# KiCad board Inkplate 6 SS_panel.kicad_pcb (continued)
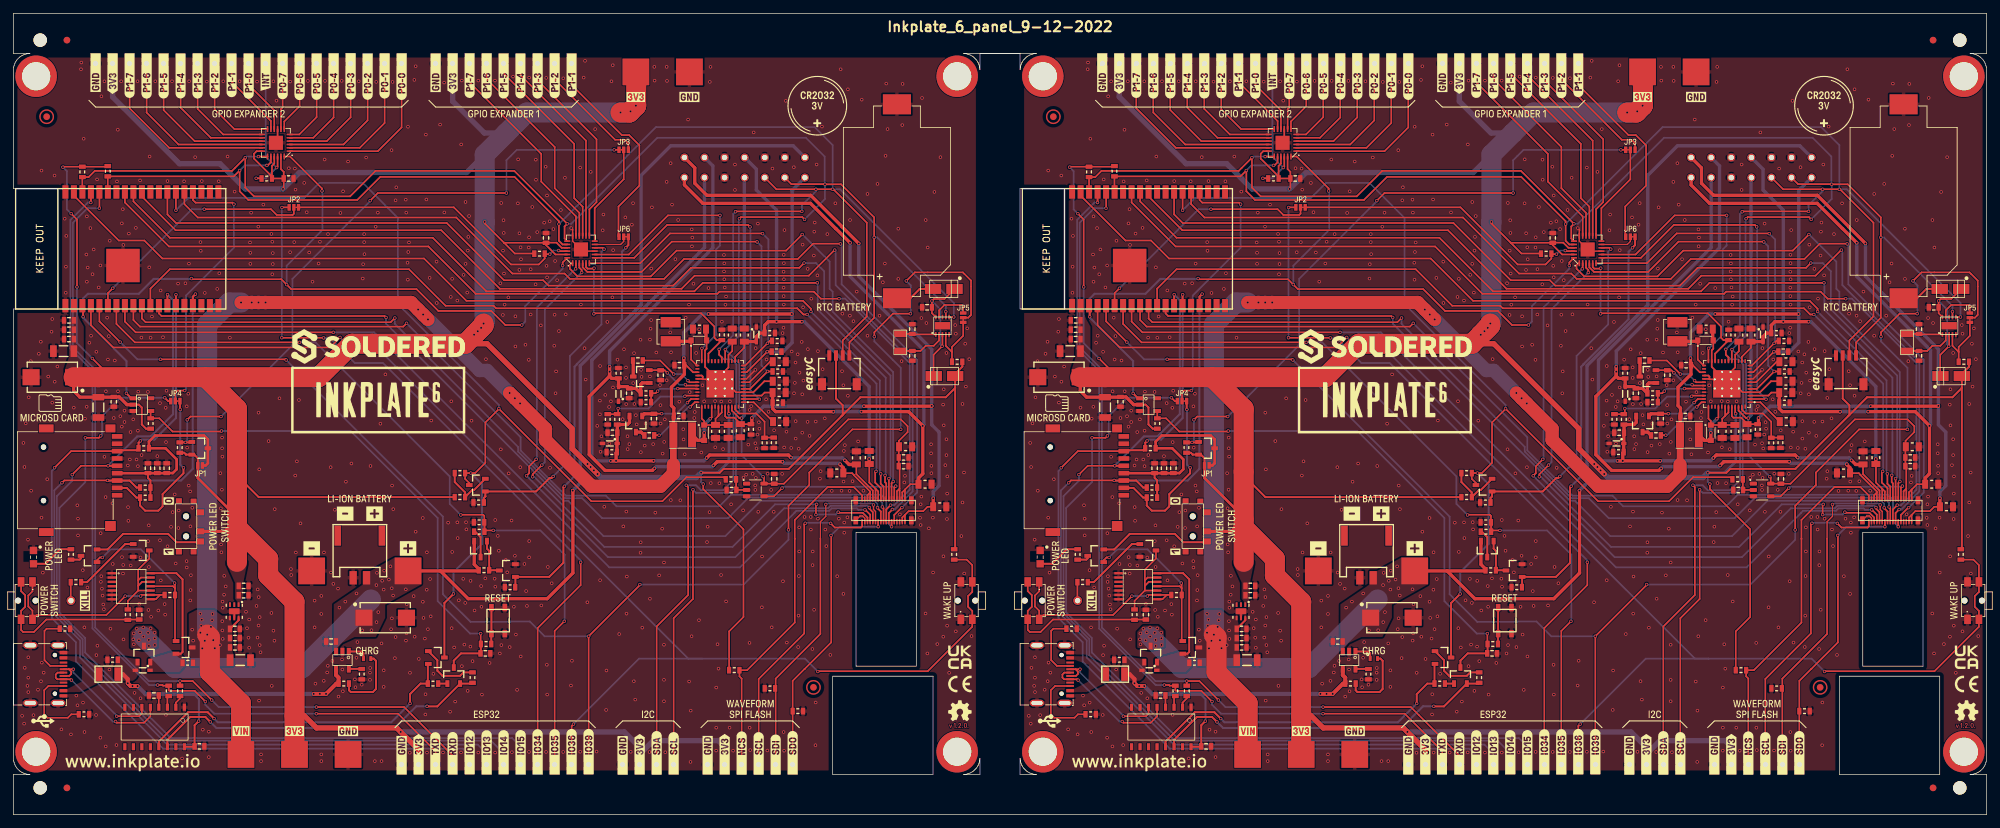
[diagram p0: board, top side]
## Routing (per net, layer and track width the routed paths; a pad name or vN(x,y) marks a point on that pad's centre or on a via; arc(x,y) is an arc through that point) (continued)
Board_1-TXD: length 129.7
  Top w0.254: v1(179.08,16.91) 177.48,18.51 173.71,18.51 173.59,18.63 173.6,18.64 R23.2 172.77,19.28 172.67,19.38 v1(171.95,19.38) ; v1(195.66,15.09) 207.87,15.09 213.48,9.48 K20.1
  Top w0.3: U12.35 161.98,91.53 v1(161.97,91.52)
  Bottom w0.254: v1(195.66,15.09) 180.42,15.09 179.08,16.43 v1(179.08,16.91) ; v1(171.95,19.38) 170.67,19.38 162.21,27.83 162.21,66.38 158.92,69.67 158.92,88.92 161.52,91.52 v1(161.97,91.52)
Board_1-V_BAT: length 119.9
  Top w0.254: K18.1 231.26,27.46 v1(232.7,28.9) ; U12.7 165.79,73.37 168.55,70.61 v1(193.15,70.61) ; v1(217.25,44.8) 217.29,44.84 220.58,44.84 220.75,44.67 R17.2 ; R16.1 220.97,42.49 v1(222.1,42.49)
  Top w0.3: R16.1 220.78,43.68 R17.2
  Bottom w0.254: v1(217.25,44.8) 215.59,46.46 215.59,50.56 195.54,70.61 v1(193.15,70.61) ; v1(222.1,42.49) 229.13,42.49 232.76,38.86 232.76,28.96 v1(232.7,28.9)
Board_1-V_BAT_MOS: length 62.4
  Top w0.3: JP6#2.1 242.28,85.16 241.9,84.78 v1(241.9,84.75) ; R15.2 225.4,34.03 Q3#2.1 230.46,35.55 232.57,37.66 232.57,48.94 v1(232.73,49.1)
  Bottom w0.3: v1(232.73,49.1) 234.23,50.6 234.23,66.97 234.57,67.31 234.57,67.34 241.31,74.08 241.31,84.16 v1(241.9,84.75)
Board_1-VBAT: length 169.3
  Top w0.5: Q1.2 219.25,37.41 219.94,36.73 R11#2.2 219.84,36.44 214.19,36.44 ; v1(233.96,48.45) 233.99,48.42 233.99,36.13 230.14,32.28 218.35,32.28 214.19,36.44 ; 214.19,36.44 PAD1#2.1
  Bottom w0.5: v1(233.96,48.45) 235.1,49.59 235.1,67.13 244.18,76.21 244.18,95.58 248.6,100 266.9,100 K1.8
  Bottom w3: v1(169.83,26.63) 174.52,21.93 193.58,21.93 203.81,32.16
  vias: v1(168.31,26.21) v1(168.37,27.09) v1(168.39,25.46) v1(168.82,27.81) v1(169.15,26.07) v1(169.32,27.25) v1(169.81,27.99) v1(170.52,27.18) v1(170.64,26.12) v1(170.65,25.22) v1(170.9,27.85) v1(171.5,27.21) v1(171.52,26.36) v1(171.54,25.37) v1(199.11,30.95) v1(199.98,31.85) v1(201.66,33.07) v1(202.53,27.55) v1(203.9,27.58) v1(204.63,34.32) v1(204.72,36.15) v1(204.65,28.78) v1(204.91,30.28) v1(205.49,34.96) v1(205.73,33.65) v1(205.79,36.48) v1(206.5,35.15) v1(206.73,37.12) v1(206.93,33.85) v1(207.13,32.76) v1(209.03,33.69)
Board_1-VCOM: length 74
  Top w0.254: 278.27,52.41 278.27,49.66 279.2,48.73 ; U1#2.14 258.24,68.46 259.6,69.82 C6#2.2 ; 279.2,48.73 279.6,48.33 K15#2.21 ; 279.2,48.73 K15#2.23 ; 261.38,70.73 D4.1
  Top w0.5: D4.1 261.4,71.48 261.92,72 R37.2 262.63,73.17 263.16,73.7 v1(264.42,73.7) v1(268.2,73.7) ; C6#2.2 261.38,70.73 ; C54.2 278.25,52.43 v1(278.25,53.17)
  Bottom w0.5: v1(268.2,73.7) 268.56,73.7 278.25,64.01 v1(278.25,53.17) ; K1.11 261.4,96.5 261.4,93.4 264.42,90.38 v1(264.42,73.7)
Board_1-VCOM_CTRL: length 50.4
  Top w0.254: U8.6 244.05,82.45 248.5,86.9 262.3,86.9 v1(262.33,86.87) ; U1#2.12 259.73,67.15 v1(263.05,70.47) 263.4,70.82 R6.1
  Bottom w0.254: v1(263.05,70.47) 263.2,70.62 263.2,86 v1(262.33,86.87)
Board_1-VDDH: length 104.9
  Top w0.254: C45#2.2 276.34,50.91 278.8,48.45 K15#2.25
  Top w0.5: D9#2.2 242.45,58.65 242.13,58.33 R39#2.2 240.63,58.3 C14#2.2 240.6,57.07 D2.2 240.58,55.48 R32#2.2 240.44,54.07 v1(240.44,52.89) ; v1(253.97,53.32) 254.42,53.77 266.19,53.77 v1(266.57,53.39) ; v1(274.62,52.98) 275.24,52.36 276.34,52.36 C45#2.2 ; v1(240.44,52.89) v1(239.65,52.89) ; v1(240.44,52.89) 246.03,52.89 v1(246.04,52.9)
  Bottom w0.5: K1.2 253.65,84.79 236.81,67.95 236.81,53.49 237.41,52.89 v1(239.65,52.89) v1(240.44,52.89) ; v1(246.04,52.9) 253.55,52.9 v1(253.97,53.32) ; v1(266.57,53.39) 266.62,53.34 274.26,53.34 v1(274.62,52.98)
Board_1-VEE: length 111.2
  Top w0.254: 274.4,51.05 275.7,51.05 275.96,50.79 275.96,50.75 278.4,48.31 278.4,48.18 ; K15#2.29 278,47.78 278.4,48.18 ; 278.4,48.18 K15#2.27
  Top w0.5: v1(254.98,52.21) 255.53,52.76 265.29,52.76 v1(265.3,52.77) ; C52#2.2 274.4,51.86 273.92,52.33 v1(273.92,52.4) ; v1(246.17,51.77) 245.86,51.46 238.79,51.46 236.43,53.83 236.43,62.53 239.47,65.57 v1(239.47,66.23) ; v1(239.47,66.23) 239.47,65.55 239.8,65.23 R38#2.2 240.8,64 D5#2.1 242.13,64 C15#2.2 243.4,63.73 R41#2.2 244.13,64.33 244.35,64.55 D6#2.1 ; v1(239.47,66.23) v1(239.47,66.98)
  Bottom w0.5: K1.13 254.9,97 254.9,84.74 239.47,69.31 v1(239.47,66.98) v1(239.47,66.23) ; v1(246.17,51.77) 246.43,52.03 254.8,52.03 v1(254.98,52.21) ; v1(265.3,52.77) 265.54,52.53 273.79,52.53 v1(273.92,52.4)
Board_1-VIN: length 237.8
  Top w0.254: C5#2.2 v1(263.02,69.22) 259.95,66.15 U1#2.10 ; C8.2 250.9,67.2 251.95,66.15 U1#2.27 ; 249,59.53 C10.2
  Top w0.3: U3.6 184.05,29.06 C36.2
  Top w0.5: v1(250.56,68.25) 250.56,67.27 C8.2 250.63,65.83 248.7,63.9 248.7,61.15 249.07,60.78 C10.2 ; v1(266.7,74.85) v1(254.25,74.85) ; L2.1 249,59.53
  Top w1: 249,52.32 L2.1
  Top w2: v1(184.41,76.57) v1(186.01,76.57) v1(187.02,76.57) v1(188.07,76.57) 209.81,76.57 v1(210.87,75.52) v1(211.61,74.77) v1(212.34,74.04) ; v1(224.54,63.04) v1(225.33,62.26) v1(226.1,61.48) 229.89,57.69 229.89,56.01 236.81,49.09 247.07,49.09 249,51.02 249,52.32
  Top w3: v1(179.36,26.91) 179.75,26.52 179.75,21.3 184.4,16.65 PAD4#2.1
  Bottom w0.5: K1.7 266.74,93.34 266.74,74.89 v1(266.7,74.85) 266.74,74.81 266.74,70.57 265.35,69.18 263.06,69.18 v1(263.02,69.22) ; v1(250.56,68.25) 250.56,72.09 253.32,74.85 v1(254.25,74.85)
  Bottom w2: v1(226.1,61.48) v1(225.33,62.26) v1(224.54,63.04) 221.17,66.41 220.05,66.41 212.42,74.04 v1(212.34,74.04) v1(211.61,74.77) v1(210.87,75.52) ; v1(184.41,76.57) v1(186.01,76.57) v1(187.02,76.57) v1(188.07,76.57)
  Bottom w3: v1(179.36,26.91) 179.35,26.92 179.35,73.26 182.66,76.57 v1(184.41,76.57)
  vias: v1(177.11,27.66) v1(177.25,26.01) v1(178.33,30.04) v1(178.33,27.2) v1(178.45,28.23) v1(178.55,29.14) v1(178.62,24.86) v1(178.99,25.99) v1(179.92,28.07) v1(180.08,29.07) v1(180.15,30) v1(180.26,26.09) v1(180.49,24.88) v1(181.27,25.35) v1(181.6,28.92) v1(181.62,27.54) v1(181.68,26.27)
Board_1-VNEG: length 106.3
  Top w0.254: C2.2 262.64,63.1 262.19,62.65 U1#2.3 ; 283.6,48.6 284.4,49.4 C39#2.2 ; 283.6,48.6 K15#2.1 ; 283.6,48.6 283.2,48.2 K15#2.3
  Top w0.5: C39#2.2 285.63,50.33 286.27,50.97 286.27,58.13 284.15,60.25 v1(277.1,60.25) ; v1(275.4,85.5) 273.27,87.63 273.25,87.63 269.48,91.4 253.4,91.4 250.65,94.15 K1.1 ; v1(272.9,60.24) 272.89,60.25 264.28,60.25 263.83,60.71 R8#2.1 C2.2
  Bottom w0.5: v1(275.4,85.5) 275.4,80.46 286.42,69.44 286.42,58.28 v1(286.26,58.12) ; v1(272.9,60.24) 272.91,60.25 v1(277.1,60.25)
Board_1-VPOS: length 118.8
  Top w0.254: C51#2.2 286.98,46.03 286.33,45.38 284.15,45.38 283.6,44.83 ; 283.6,44.83 283.2,44.43 K15#2.4 ; 283.6,44.83 K15#2.2 ; R20.1 C13#2.2 259,58.47 258.13,59.34 256.97,59.34 256.74,59.58 U1#2.44
  Top w0.5: v1(260.73,59.3) 260.73,58.5 R20.1 ; v1(287.6,61.11) 287.56,61.07 v1(277.48,61.07) ; K1.14 252.2,96.7 252.2,94.4 254,92.6 269.52,92.6 274.19,87.93 274.19,87.91 v1(276.7,85.4) ; v1(287.83,47.3) C51#2.2
  Bottom w0.5: v1(260.73,59.3) 262.5,61.07 v1(277.48,61.07) ; v1(276.7,85.4) 276.7,80.48 287.6,69.58 v1(287.6,61.11) 287.6,58.29 288.7,57.19 288.7,49.17 287.83,48.3 v1(287.83,47.3)
Board_1-VUSB: length 51
  Top w0.3: U5.16 177.42,10.15 C25.2 177.47,13.37 v1(178.08,13.98)
  Top w0.6: U2.4 198.61,20.86 198.99,20.49 R9#2.1 198.65,19.59 v1(197.11,18.05) v1(196.19,18.05) v1(195.27,18.05) ; v1(168.95,19.22) v1(168.2,19.22) 167.91,19.22 v1(167.49,19.64) 167.49,20.27 166.76,21 F1.1
  Bottom w0.3: v1(178.08,13.98) 178.11,14.01 178.11,17.27 177.33,18.05
  Bottom w0.6: v1(167.49,19.64) 167.91,19.22 v1(168.2,19.22) v1(168.95,19.22) 170.12,18.05 v1(195.27,18.05) v1(196.19,18.05) v1(197.11,18.05)
Board_1-WAKEUP: length 54.4
  Top w0.254: R5.1 v1(263.06,66.26) 260.45,63.65 U1#2.5 ; U8.4 235.45,81.83 236.15,81.14 244.24,81.14 248.77,85.67 261.47,85.67 v1(261.51,85.63)
  Bottom w0.254: v1(261.51,85.63) 262.16,84.98 262.16,67.16 v1(263.06,66.26)

## Copper pours and planes (outline as drawn; the poured copper is in the pictures)
Board_0-3V3 on Top: 9.49,75.1 9.89,74.07 10.52,72.95 10.51,68.25 10.27,66.62 10.27,64.2 7.72,64.2 7.72,66.6 8.3,68.43 8.3,73.9 8.59,75.1 8.59,77.1 9.49,77.1
Board_0-3V3 on Top: 34.73,38.01 34.9,37.85 34.9,37.41 34.35,34.7 34.35,32.3 33.8,31.75 33.8,31.04 33.5,31.04 33.5,31.75 33.1,32.29 33.1,34.7 31.9,37.4 31.9,37.86 32.05,38.02
Board_0-GND on Top, Bottom: 144.4,113.8 144.4,6 0,6 0,113.8
Board_0-Net-(F1-Pad2) on Top: 9.82,23.67 13.3,22 13.3,20 9.94,18.32 6.9,18.28 6.9,18.79 8.05,18.79 10.22,19.9 10.26,22.4 8.05,23.18 6.9,23.18 6.9,23.69 8.05,23.69
Board_0-SW_IN on Top: 24.8,24.35 25.6,23.2 25.6,22.2 24.77,21.32 20.02,21.33 20.02,21.83 20.15,22.3 20.15,23.3 23.8,24.35
Board_0-VBAT on Top, Bottom: 21.48,27.47 21.5,25.03 19.8,24.6 19.2,24.6 17.5,24.96 17.5,27.32 18.39,28.25 20.65,28.25
Board_0-VBAT on Top, Bottom: 60.96,34.44 55.55,31.41 55.55,29.44 54.14,26.55 51,26.55 49.09,25.66 48.51,24.94 48.51,23.84 47.91,23.84 47.91,24.94 47.86,25.39 47.86,26.39 47.85,28.45 47.86,31.45 52.21,34.41 52.21,36.42 53.31,36.42 56.96,38.44 60.96,38.44
Board_0-VIN on Top: 31.17,29.76 32.5,29.76 32.5,29.06 32.7,28.28 32.7,24.5 32.88,23.98 32.88,22.22 31.87,22.22 27.15,22.2 26.5,22.2 26.5,23.2 26.2,24.7 26.2,30.02 27.32,30.6 29.98,30.62
Board_0-VIN on Bottom: 31.17,29.76 32.5,29.76 32.5,29.06 32.7,28.28 32.71,25.73 32.7,24.85 31.98,24.25 27.14,24.25 26.2,24.7 26.2,30.02 27.32,30.6 29.98,30.62
Board_0-VUSB on Top: 18.85,21.29 18.33,20.38 17.87,20.01 17.06,20.01 15.1,20 15.1,22 15.28,22.65 15.28,23.65 15.92,23.65 18.25,23.3 18.85,23.3
Board_1-3V3 on Top: 159.89,75.1 160.29,74.07 160.92,72.95 160.91,68.25 160.67,66.62 160.67,64.2 158.12,64.2 158.12,66.6 158.7,68.43 158.7,73.9 158.99,75.1 158.99,77.1 159.89,77.1
Board_1-3V3 on Top: 185.13,38.01 185.3,37.85 185.3,37.41 184.75,34.7 184.75,32.3 184.2,31.75 184.2,31.04 183.9,31.04 183.9,31.75 183.5,32.29 183.5,34.7 182.3,37.4 182.3,37.86 182.45,38.02
Board_1-GND on Top, Bottom: 294.8,113.8 294.8,6 150.4,6 150.4,113.8
Board_1-Net-(F1-Pad2) on Top: 160.22,23.67 163.7,22 163.7,20 160.34,18.32 157.3,18.28 157.3,18.79 158.45,18.79 160.62,19.9 160.66,22.4 158.45,23.18 157.3,23.18 157.3,23.69 158.45,23.69
Board_1-SW_IN on Top: 175.2,24.35 176,23.2 176,22.2 175.17,21.32 170.42,21.33 170.42,21.83 170.55,22.3 170.55,23.3 174.2,24.35
Board_1-VBAT on Top, Bottom: 211.36,34.44 205.95,31.41 205.95,29.44 204.54,26.55 201.4,26.55 199.49,25.66 198.91,24.94 198.91,23.84 198.31,23.84 198.31,24.94 198.26,25.39 198.26,26.39 198.25,28.45 198.26,31.45 202.61,34.41 202.61,36.42 203.71,36.42 207.36,38.44 211.36,38.44
Board_1-VBAT on Top, Bottom: 171.88,27.47 171.9,25.03 170.2,24.6 169.6,24.6 167.9,24.96 167.9,27.32 168.79,28.25 171.05,28.25
Board_1-VIN on Top: 181.57,29.76 182.9,29.76 182.9,29.06 183.1,28.28 183.1,24.5 183.28,23.98 183.28,22.22 182.27,22.22 177.55,22.2 176.9,22.2 176.9,23.2 176.6,24.7 176.6,30.02 177.72,30.6 180.38,30.62
Board_1-VIN on Bottom: 181.57,29.76 182.9,29.76 182.9,29.06 183.1,28.28 183.11,25.73 183.1,24.85 182.38,24.25 177.54,24.25 176.6,24.7 176.6,30.02 177.72,30.6 180.38,30.62
Board_1-VUSB on Top: 169.25,21.29 168.73,20.38 168.27,20.01 167.46,20.01 165.5,20 165.5,22 165.68,22.65 165.68,23.65 166.32,23.65 168.65,23.3 169.25,23.3

## Text on the board
F.Silkscreen: Inkplate_6_panel_9-12-2022
User.8: V-CUT
User.9: CUTOUT
